# KiCad board ciaa_acc.kicad_pcb (continued)
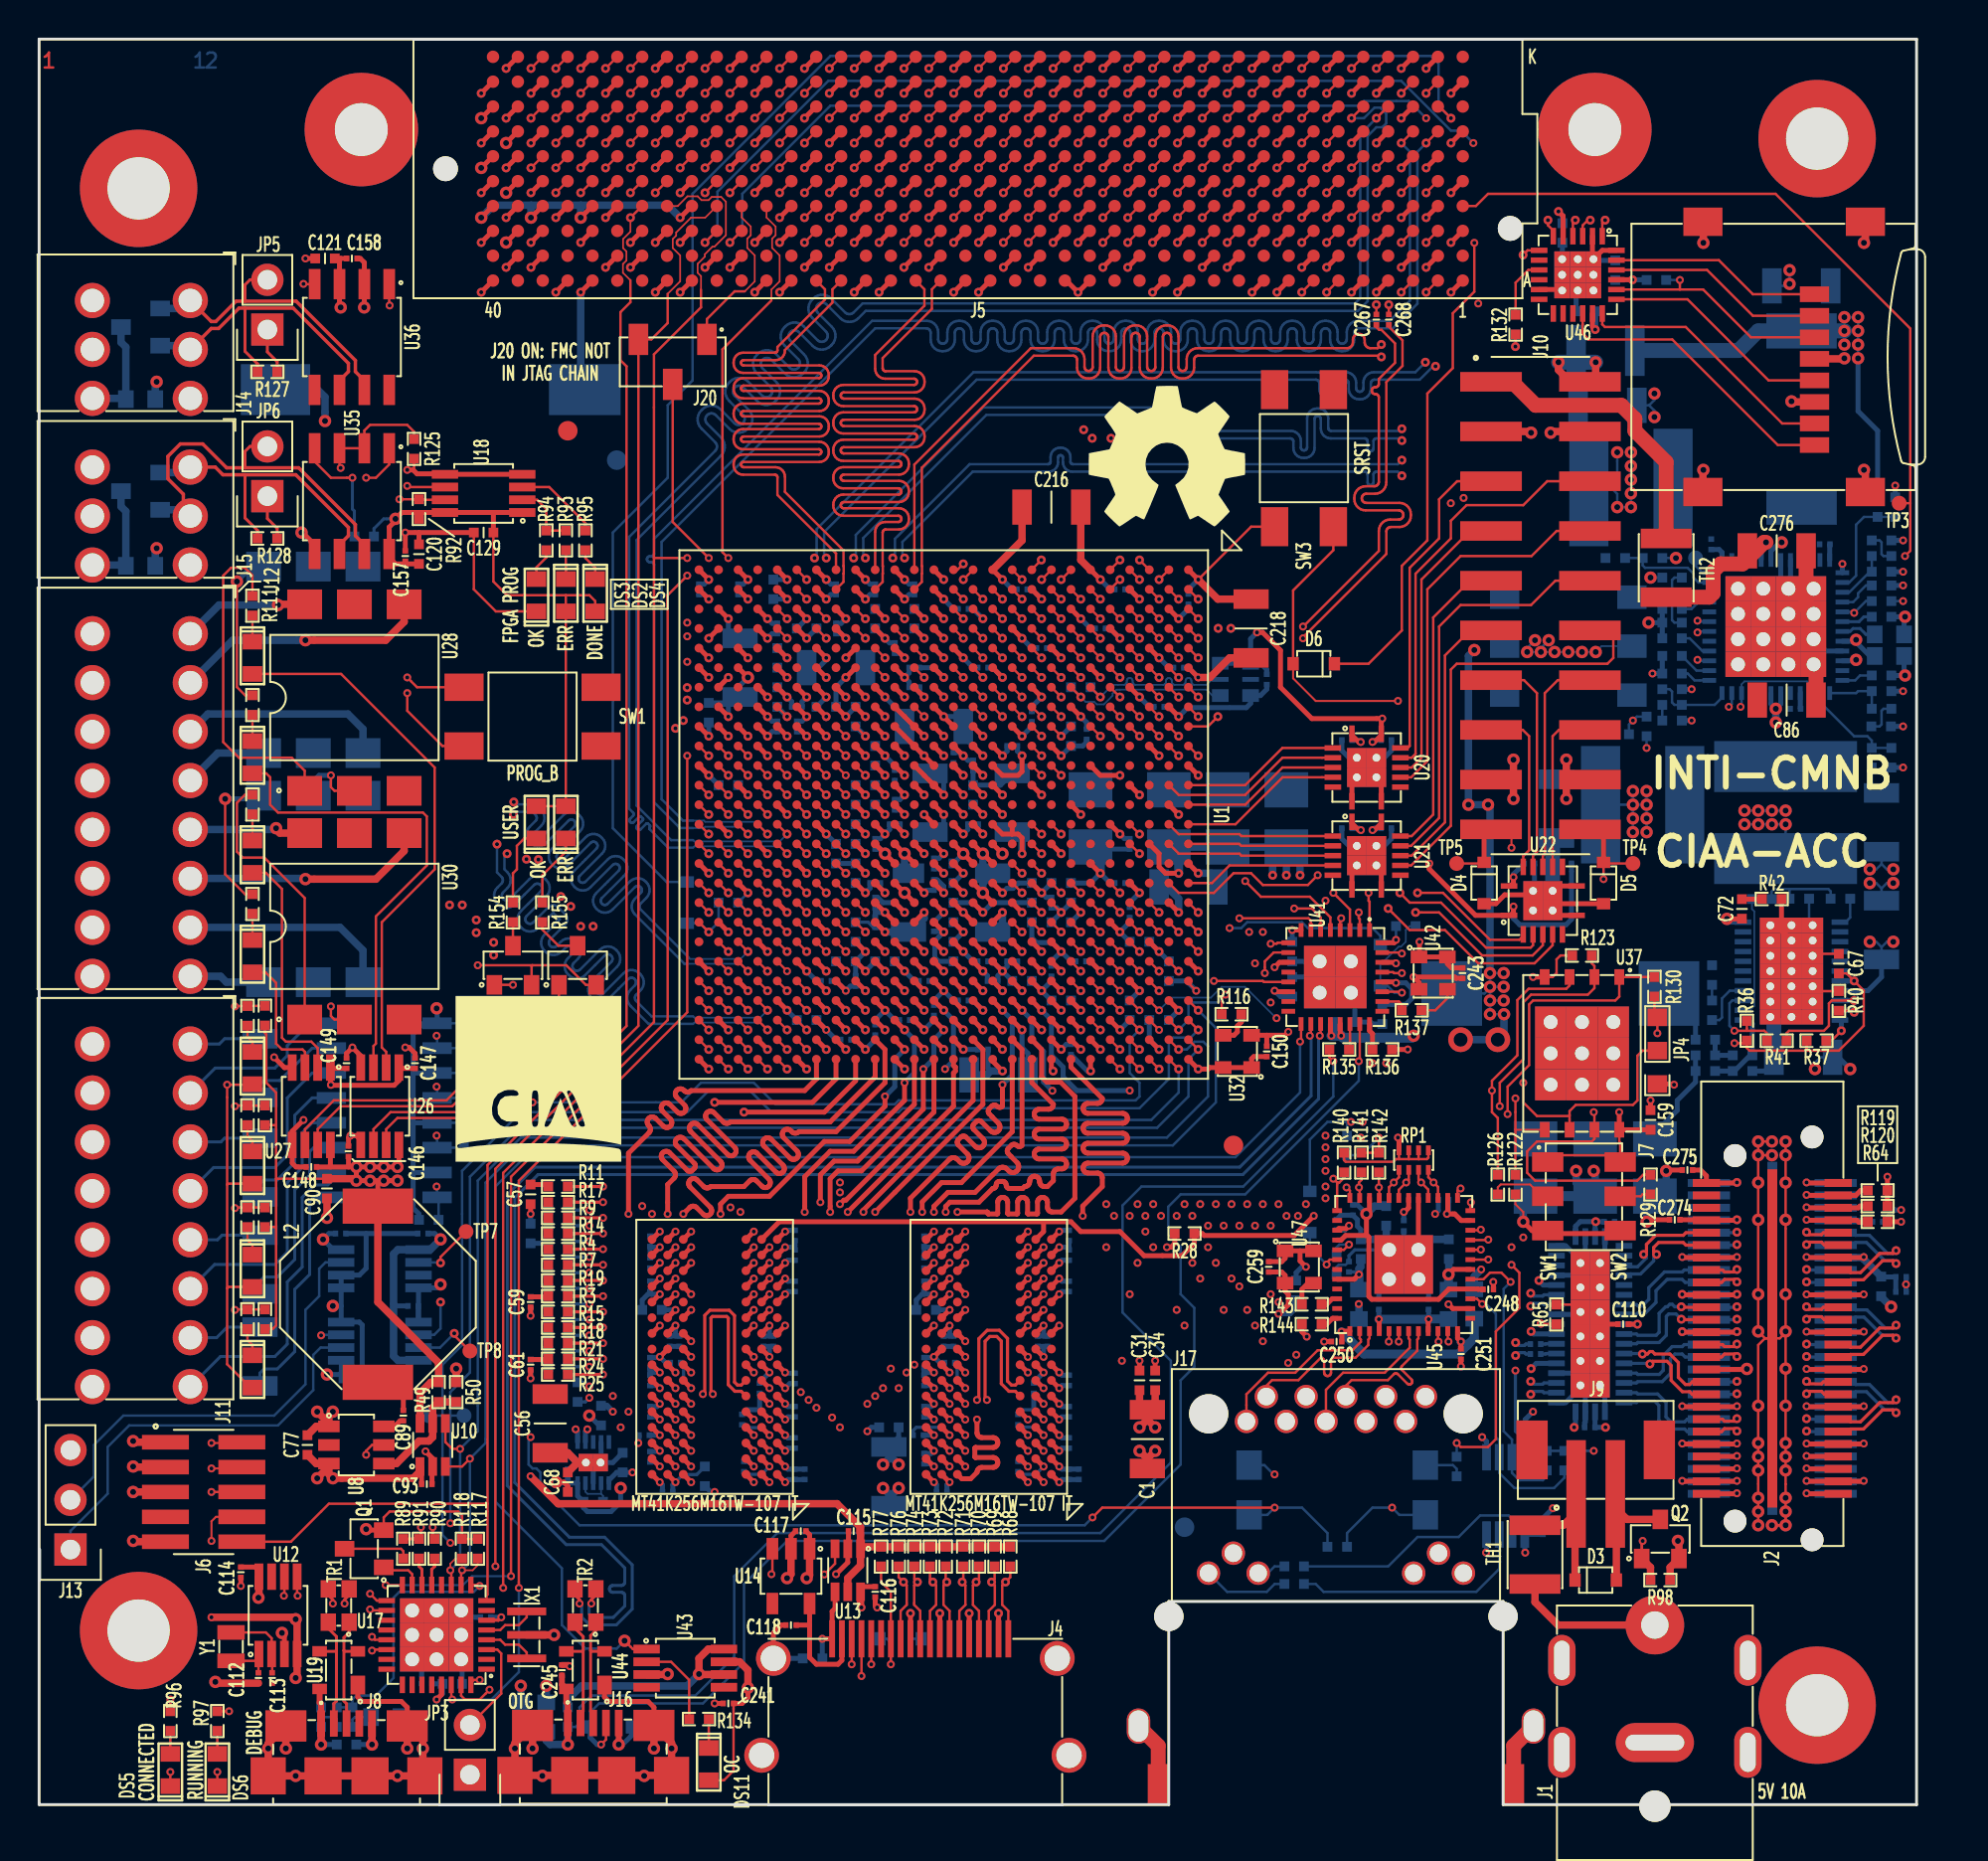
[diagram p0: board, top side]
## Routing (per net, layer and track width the routed paths; a pad name or vN(x,y) marks a point on that pad's centre or on a via; arc(x,y) is an arc through that point) (continued)
/Principal/BANK_502/DDR_DQ27: length 38.8
  TOP_L1.Sig w0.254: U3.H7 v1(33.3,22.07) ; v1(32.9,30.17) 33.22,30.49 33.27,30.53 33.32,30.55 33.37,30.57 33.43,30.57 33.49,30.55 33.54,30.53 33.58,30.49 33.92,30.16 33.96,30.12 34.01,30.1 34.07,30.08 34.13,30.08 34.18,30.1 34.23,30.12 34.28,30.16 34.31,30.2 34.34,30.25 34.35,30.31 34.35,30.36 34.34,30.42 34.31,30.47 34.28,30.52 33.25,31.55 33.21,31.59 33.19,31.64 33.17,31.7 33.17,31.76 33.19,31.81 33.21,31.86 33.25,31.91 33.29,31.94 33.34,31.97 33.4,31.98 33.45,31.98 33.51,31.97 33.56,31.94 33.6,31.91 33.94,31.57 33.99,31.53 34.04,31.51 34.09,31.5 34.15,31.5 34.2,31.51 34.26,31.53 34.3,31.57 36,31.57 36.29,31.86 36.33,31.89 36.38,31.92 36.44,31.93 36.49,31.93 36.55,31.92 36.6,31.89 36.64,31.86 36.91,31.59 36.95,31.55 37.01,31.53 37.06,31.52 37.12,31.52 37.17,31.53 37.22,31.55 37.27,31.59 37.3,31.63 37.33,31.69 37.34,31.74 37.34,31.8 37.33,31.85 37.3,31.9 37.27,31.95 36.31,32.91 36.27,32.95 36.25,33.01 36.24,33.06 36.24,33.12 36.25,33.17 36.27,33.22 36.31,33.27 36.35,33.3 36.4,33.33 36.46,33.34 36.52,33.34 36.57,33.33 36.62,33.3 36.67,33.27 37.63,32.31 37.67,32.27 37.72,32.25 37.78,32.24 37.84,32.24 37.89,32.25 37.94,32.27 37.99,32.31 38.02,32.35 38.05,32.4 38.06,32.46 38.06,32.52 38.05,32.57 38.02,32.62 37.99,32.67 37.03,33.63 36.99,33.67 36.97,33.72 36.95,33.78 36.95,33.84 36.97,33.89 36.99,33.94 37.03,33.99 37.07,34.02 37.12,34.05 37.18,34.06 37.23,34.06 37.29,34.05 37.34,34.02 37.39,33.99 38.35,33.03 38.39,32.99 38.44,32.97 38.5,32.95 38.56,32.95 38.61,32.97 38.66,32.99 38.71,33.03 38.74,33.07 38.77,33.12 38.78,33.18 38.78,33.23 38.77,33.29 38.74,33.34 38.71,33.39 38.03,34.06 37.99,34.11 37.97,34.16 37.96,34.22 37.96,34.27 37.97,34.33 37.99,34.38 38.03,34.42 38.07,34.46 38.12,34.48 38.18,34.5 38.24,34.5 38.29,34.48 38.34,34.46 38.39,34.42 38.44,34.37 38.49,34.33 38.54,34.31 38.59,34.3 38.65,34.3 38.7,34.31 38.76,34.33 38.8,34.37 40.7,34.37 43.2,36.87 43.2,38.57 U1.U25
  L10.Sig w0.165: v1(33.3,22.07) U3.H7 32.9,24.12 33,24.22 33.45,24.22 33.51,24.23 33.56,24.24 33.61,24.27 33.65,24.31 33.68,24.36 33.69,24.41 33.7,24.47 33.69,24.53 33.68,24.58 33.65,24.63 33.61,24.67 33.56,24.7 33.51,24.71 33.45,24.72 33.15,24.72 33.09,24.73 33.04,24.74 32.99,24.77 32.95,24.81 32.92,24.86 32.91,24.91 32.9,24.97 32.9,26.47 32.91,26.53 32.92,26.58 32.95,26.63 32.99,26.67 33.04,26.7 33.09,26.71 33.15,26.72 33.45,26.72 33.51,26.73 33.56,26.74 33.61,26.77 33.65,26.81 33.68,26.86 33.69,26.91 33.7,26.97 33.69,27.03 33.68,27.08 33.65,27.13 33.61,27.17 33.56,27.2 33.51,27.21 33.45,27.22 33.15,27.22 33.09,27.23 33.04,27.24 32.99,27.27 32.95,27.31 32.92,27.36 32.91,27.41 32.9,27.47 v1(32.9,30.17)
/Principal/BANK_502/DDR_DQ28: length 35.8
  TOP_L1.Sig w0.254: U3.F8 v1(32.5,20.47) ; U1.W26 40.7,37.07 39.5,35.87 v2(34.5,35.87)
  L5.Sig w0.165: v1(30.8,30.57) 30.8,33.07 31.13,33.4 31.17,33.43 31.22,33.45 31.27,33.47 31.33,33.47 31.38,33.45 31.43,33.43 31.48,33.4 31.69,33.18 31.74,33.15 31.79,33.12 31.84,33.11 31.9,33.11 31.95,33.12 32,33.15 32.05,33.18 32.08,33.22 32.11,33.27 32.12,33.33 32.12,33.38 32.11,33.44 32.08,33.49 32.05,33.53 31.26,34.32 31.23,34.36 31.2,34.41 31.19,34.47 31.19,34.52 31.2,34.58 31.23,34.63 31.26,34.67 31.31,34.71 31.36,34.73 31.41,34.74 31.47,34.74 31.52,34.73 31.57,34.71 31.62,34.67 32.4,33.89 32.44,33.85 32.5,33.83 32.55,33.82 32.61,33.82 32.66,33.83 32.71,33.85 32.75,33.89 32.79,33.93 32.81,33.98 32.83,34.04 32.83,34.09 32.81,34.15 32.79,34.2 32.75,34.24 31.97,35.02 31.94,35.07 31.91,35.12 31.9,35.17 31.9,35.23 31.91,35.28 31.94,35.33 31.97,35.38 32.01,35.41 32.06,35.44 32.12,35.45 32.18,35.45 32.23,35.44 32.28,35.41 32.32,35.38 33.11,34.59 33.15,34.56 33.2,34.54 33.26,34.52 33.31,34.52 33.37,34.54 33.42,34.56 33.46,34.59 33.5,34.64 33.52,34.69 33.53,34.74 33.53,34.8 33.52,34.85 33.5,34.9 33.46,34.95 32.68,35.73 32.64,35.78 32.62,35.83 32.61,35.88 32.61,35.94 32.62,35.99 32.64,36.04 32.68,36.09 32.72,36.12 32.77,36.14 32.83,36.16 32.88,36.16 32.94,36.14 32.99,36.12 33.03,36.09 33.25,35.87 33.29,35.84 33.34,35.81 33.4,35.8 33.45,35.8 33.51,35.81 33.56,35.84 33.6,35.87 v2(34.5,35.87)
  L10.Sig w0.165: v1(32.5,20.47) 32.1,20.07 31.3,20.07 30.8,20.57 v1(30.8,30.57)
/Principal/BANK_502/DDR_DQ29: length 34.6
  TOP_L1.Sig w0.254: U3.E3 v1(36.5,19.67) ; U1.Y25 v2(40.2,38.57)
  L3.Sig w0.165: v1(36.5,19.67) 36.1,19.27 v1(29.7,19.27)
  L10.Sig w0.165: v2(40.2,38.57) 40.2,36.87 39.4,36.07 38.4,36.07 33.55,31.22 29.85,31.22 29.7,31.07 v1(29.7,19.27)
/Principal/BANK_502/DDR_DQ30: length 37.3
  TOP_L1.Sig w0.254: U3.F2 v1(37.3,20.47) ; U1.Y26 39.7,37.07 39.1,36.47 33.3,36.47 33.26,36.43 33.2,36.41 33.15,36.4 33.09,36.4 33.04,36.41 32.99,36.43 32.94,36.47 32.92,36.49 32.88,36.52 32.83,36.55 32.77,36.56 32.72,36.56 32.66,36.55 32.61,36.52 32.57,36.49 32.53,36.44 32.51,36.39 32.49,36.33 32.49,36.28 32.51,36.22 32.53,36.17 32.57,36.13 32.96,35.74 32.99,35.69 33.02,35.64 33.03,35.58 33.03,35.53 33.02,35.47 32.99,35.42 32.96,35.38 32.91,35.34 32.86,35.32 32.81,35.3 32.75,35.3 32.69,35.32 32.64,35.34 32.6,35.38 32.21,35.77 32.16,35.8 32.11,35.83 32.06,35.84 32,35.84 31.94,35.83 31.89,35.8 31.85,35.77 31.81,35.72 31.79,35.67 31.77,35.62 31.77,35.56 31.79,35.5 31.81,35.45 31.85,35.41 32.24,35.02 32.27,34.97 32.3,34.92 32.31,34.87 32.31,34.81 32.3,34.75 32.27,34.7 32.24,34.66 32.19,34.62 32.14,34.6 32.09,34.59 32.03,34.59 31.97,34.6 31.92,34.62 31.88,34.66 31.49,35.05 31.44,35.08 31.39,35.11 31.34,35.12 31.28,35.12 31.22,35.11 31.17,35.08 31.13,35.05 31.09,35 31.07,34.95 31.06,34.9 31.06,34.84 31.07,34.79 31.09,34.73 31.13,34.69 31.14,34.67 31.18,34.63 31.2,34.58 31.22,34.52 31.22,34.47 31.2,34.41 31.18,34.36 31.14,34.31 30.1,33.27 v1(30.1,30.17)
  L3.Sig w0.165: v1(37.3,20.47) 36.91,20.08 30.11,20.08 v1(30.1,20.07)
  L10.Sig w0.165: v1(30.1,30.17) v1(30.1,20.07)
/Principal/BANK_502/DDR_DQ31: length 34.6
  TOP_L1.Sig w0.254: U3.F7 v1(33.3,20.47) ; U1.W23 v2(41.2,40.57)
  L3.Sig w0.165: v1(29.3,20.87) U3.F7 v1(33.3,20.47)
  L10.Sig w0.165: v1(29.3,20.87) 29.3,31.37 29.7,31.77 32.2,31.77 32.24,31.78 32.29,31.79 32.32,31.81 32.36,31.85 32.38,31.88 32.39,31.93 32.4,31.97 32.4,31.98 32.41,32.02 32.42,32.06 32.44,32.1 32.48,32.13 32.51,32.16 32.56,32.17 32.6,32.18 32.64,32.17 32.69,32.16 32.72,32.13 32.76,32.1 32.78,32.06 32.79,32.02 32.8,31.98 32.8,31.97 32.81,31.93 32.82,31.88 32.84,31.85 32.88,31.81 32.91,31.79 32.96,31.78 33,31.77 33.2,31.77 38,36.57 39,36.57 39.7,37.27 39.7,40.87 39.9,41.07 U1.W23 v2(41.2,40.57)
/Principal/BANK_502/DDR_DQS0_N: length 35.1
  TOP_L1.Sig w0.254: U2.B7 v1(47.3,17.27) ; U1.G25 v2(53.2,38.57)
  L10.Sig w0.147: v1(47.3,17.27) 47.54,17.51 47.73,17.51 47.94,17.3 47.94,14.9 48.23,14.61 49.37,14.61 49.76,15 49.76,16.04 49.75,16.14 49.72,16.24 49.66,16.33 49.59,16.4 49.5,16.46 49.4,16.49 49.3,16.5 49.11,16.5 49.07,16.51 49.04,16.52 49,16.54 48.98,16.57 48.96,16.6 48.95,16.63 48.94,16.67 48.94,16.71 48.95,16.75 48.96,16.78 48.98,16.82 49,16.84 49.04,16.86 49.07,16.87 49.11,16.88 49.3,16.88 49.4,16.89 49.5,16.92 49.59,16.98 49.66,17.05 49.72,17.14 49.75,17.24 49.76,17.34 49.76,17.44 49.75,17.54 49.72,17.64 49.66,17.73 49.59,17.8 49.5,17.86 49.4,17.89 49.3,17.9 49.11,17.9 49.07,17.91 49.04,17.92 49,17.94 48.98,17.97 48.96,18 48.95,18.03 48.94,18.07 48.94,18.11 48.95,18.15 48.96,18.18 48.98,18.22 49,18.24 49.04,18.26 49.07,18.27 49.11,18.28 49.3,18.28 49.4,18.29 49.5,18.32 49.59,18.38 49.66,18.45 49.72,18.54 49.75,18.64 49.76,18.74 49.76,29.7 51.36,31.3 51.36,38.16 51.8,38.59 51.8,38.76 52.01,38.97 52.8,38.97 v2(53.2,38.57)
/Principal/BANK_502/DDR_DQS0_P: length 35.1
  TOP_L1.Sig w0.254: U1.H24 v2(52.2,39.57) ; U2.C7 v1(47.3,18.07)
  L10.Sig w0.147: v2(52.2,39.57) 51.04,38.41 51.04,31.44 49.44,29.84 49.44,18.77 49.43,18.73 49.42,18.7 49.4,18.67 49.37,18.64 49.34,18.62 49.31,18.61 49.27,18.6 49.08,18.6 48.98,18.59 48.88,18.56 48.79,18.5 48.72,18.43 48.66,18.34 48.63,18.24 48.62,18.14 48.62,18.04 48.63,17.94 48.66,17.84 48.72,17.75 48.79,17.68 48.88,17.62 48.98,17.59 49.08,17.58 49.27,17.58 49.31,17.57 49.34,17.56 49.37,17.54 49.4,17.52 49.42,17.48 49.43,17.45 49.44,17.41 49.44,17.37 49.43,17.33 49.42,17.3 49.4,17.27 49.37,17.24 49.34,17.22 49.31,17.21 49.27,17.2 49.08,17.2 48.98,17.19 48.88,17.16 48.79,17.1 48.72,17.03 48.66,16.94 48.63,16.84 48.62,16.74 48.62,16.64 48.63,16.54 48.66,16.44 48.72,16.35 48.79,16.28 48.88,16.22 48.98,16.19 49.08,16.18 49.27,16.18 49.31,16.17 49.34,16.16 49.37,16.14 49.4,16.12 49.42,16.08 49.43,16.05 49.44,16.01 49.44,15.14 49.23,14.93 48.37,14.93 48.27,15.03 48.27,15.17 48.28,15.21 48.29,15.26 48.31,15.29 48.35,15.33 48.38,15.35 48.43,15.36 48.47,15.37 48.79,15.37 48.83,15.38 48.87,15.39 48.91,15.41 48.94,15.45 48.97,15.48 48.98,15.53 48.99,15.57 48.98,15.61 48.97,15.66 48.94,15.69 48.91,15.73 48.87,15.75 48.83,15.76 48.79,15.77 48.47,15.77 48.43,15.78 48.38,15.79 48.35,15.81 48.31,15.85 48.29,15.88 48.28,15.93 48.27,15.97 48.27,17.43 47.87,17.83 47.54,17.83 v1(47.3,18.07)
/Principal/BANK_502/DDR_DQS1_N: length 31.3
  TOP_L1.Sig w0.165: U2.G3 49.86,21.43 49.66,21.43 49.46,21.63 49.46,23.81 49.04,24.23 48.43,24.23 48,23.8 48,20.77 v1(47.9,20.67)
  TOP_L1.Sig w0.254: U1.L25 v2(49.2,38.57)
  L10.Sig w0.147: v2(49.2,38.57) 49.54,38.91 49.56,38.91 49.84,38.63 49.84,36.34 48.74,35.24 48.74,33.84 47.99,33.09 47.99,32.93 48,32.83 48.04,32.74 48.09,32.65 48.16,32.58 48.24,32.53 48.34,32.5 48.44,32.48 48.64,32.48 48.67,32.48 48.7,32.47 48.73,32.45 48.75,32.43 48.77,32.4 48.78,32.37 48.78,32.34 48.78,32.3 48.77,32.27 48.75,32.25 48.73,32.22 48.7,32.2 48.67,32.19 48.64,32.19 47.34,32.19 47.25,32.18 47.15,32.15 47.07,32.09 47,32.02 46.94,31.94 46.91,31.84 46.9,31.74 46.9,31.69 46.91,31.59 46.94,31.5 47,31.41 47.07,31.34 47.15,31.29 47.25,31.26 47.34,31.24 47.84,31.24 47.88,31.24 47.91,31.23 47.94,31.21 47.96,31.19 47.98,31.16 47.99,31.13 47.99,31.1 47.99,20.76 v1(47.9,20.67)
/Principal/BANK_502/DDR_DQS1_P: length 31.4
  TOP_L1.Sig w0.165: U2.F3 49.86,21.11 49.53,21.11 49.14,21.5 49.14,23.68 48.91,23.91 48.56,23.91 48.31,23.67 48.31,20.77 v1(48.41,20.67)
  TOP_L1.Sig w0.254: U1.L24 v2(49.2,39.57)
  L10.Sig w0.147: v2(49.2,39.57) 49.54,39.23 49.7,39.23 50.16,38.77 50.16,36.2 49.06,35.1 49.06,33.7 48.32,32.96 48.32,32.92 48.33,32.89 48.35,32.86 48.37,32.84 48.4,32.82 48.43,32.81 48.46,32.81 48.66,32.81 48.76,32.8 48.86,32.77 48.94,32.71 49.01,32.64 49.06,32.56 49.1,32.46 49.11,32.36 49.11,32.31 49.1,32.21 49.06,32.12 49.01,32.03 48.94,31.96 48.86,31.91 48.76,31.88 48.66,31.86 47.37,31.86 47.34,31.86 47.31,31.85 47.28,31.83 47.26,31.81 47.24,31.78 47.23,31.75 47.22,31.72 47.23,31.68 47.24,31.65 47.26,31.63 47.28,31.6 47.31,31.58 47.34,31.57 47.37,31.57 47.87,31.57 47.97,31.56 48.06,31.53 48.15,31.47 48.22,31.4 48.27,31.32 48.31,31.22 48.32,31.12 48.32,20.75 48.4,20.67 v1(48.41,20.67)
/Principal/BANK_502/DDR_DQS2_N: length 33
  TOP_L1.Sig w0.254: U3.B7 v1(33.3,17.27) ; U1.R25 v2(45.2,38.57)
  L5.Sig w0.147: v1(40.9,31.78) 40.81,31.69 39.7,31.69 39.65,31.69 39.6,31.71 39.56,31.74 39.52,31.77 39.5,31.81 39.48,31.86 39.47,31.91 39.47,32.14 39.47,32.19 39.45,32.24 39.43,32.28 39.39,32.32 39.35,32.34 39.3,32.36 39.25,32.36 39.2,32.36 39.15,32.34 39.11,32.32 39.07,32.28 39.05,32.24 39.03,32.19 39.03,32.14 39.03,31.91 39.02,31.86 39,31.81 38.98,31.77 38.94,31.74 38.9,31.71 38.85,31.69 38.8,31.69 38.75,31.69 38.7,31.71 38.66,31.74 38.62,31.77 38.6,31.81 38.58,31.86 38.58,31.91 38.58,32.14 38.57,32.19 38.55,32.24 38.53,32.28 38.49,32.32 38.45,32.34 38.4,32.36 38.35,32.36 38.3,32.36 38.25,32.34 38.21,32.32 38.17,32.28 38.15,32.24 38.13,32.19 38.12,32.14 38.12,31.91 38.12,31.86 38.1,31.81 38.08,31.77 38.04,31.74 38,31.71 37.95,31.69 37.9,31.69 36.77,31.69 35.73,30.65 35.63,30.65 35.49,30.5 v1(35.31,30.5)
  L10.Sig w0.147: v2(45.2,38.57) 45.54,38.23 45.54,37.83 45.58,37.8 45.58,37.41 45.54,37.37 45.54,36.14 41.17,31.77 40.91,31.77 v1(40.9,31.78) ; v1(33.3,17.27) 33.4,17.17 33.9,17.17 35.44,18.71 35.44,30.03 35.31,30.16 v1(35.31,30.5)
/Principal/BANK_502/DDR_DQS2_P: length 33
  TOP_L1.Sig w0.254: U3.C7 v1(33.3,18.07) ; U1.P25 v2(46.2,38.57)
  L5.Sig w0.147: v1(40.9,31.27) 40.81,31.36 36.91,31.36 35.82,30.27 v1(35.82,30.27)
  L10.Sig w0.147: v1(33.3,18.07) 32.92,17.69 32.92,17.09 33.16,16.85 34.08,16.85 35.76,18.53 35.76,30.22 v1(35.82,30.27) ; v2(46.2,38.57) 45.86,38.23 45.86,36 41.13,31.27 v1(40.9,31.27)
/Principal/BANK_502/DDR_DQS3_N: length 36.2
  TOP_L1.Sig w0.165: U3.G3 35.86,21.43 35.67,21.43 35.51,21.58 35.51,24.98 35.24,25.25 34.26,25.25 34,24.99 34,21.07 v1(33.9,20.97)
  TOP_L1.Sig w0.254: U1.W25 v2(41.2,38.57)
  L10.Sig w0.147: v2(41.2,38.57) 41.2,37 39.57,35.37 39.54,35.34 39.5,35.33 39.46,35.32 39.42,35.32 39.38,35.33 39.34,35.34 39.3,35.37 39.15,35.53 39.06,35.6 38.96,35.64 38.86,35.67 38.75,35.67 38.65,35.64 38.55,35.6 38.46,35.53 38.42,35.49 38.35,35.4 38.31,35.3 38.28,35.2 38.28,35.09 38.31,34.99 38.35,34.89 38.42,34.8 38.58,34.64 38.61,34.61 38.62,34.57 38.63,34.53 38.63,34.49 38.62,34.45 38.61,34.41 38.58,34.38 38.55,34.35 38.51,34.34 38.47,34.33 38.43,34.33 38.39,34.34 38.35,34.35 38.31,34.38 38.16,34.54 38.07,34.61 37.97,34.65 37.87,34.68 37.76,34.68 37.66,34.65 37.56,34.61 37.47,34.54 37.43,34.5 37.36,34.41 37.32,34.31 37.29,34.21 37.29,34.1 37.32,34 37.36,33.9 37.43,33.81 37.59,33.65 37.62,33.62 37.63,33.58 37.64,33.54 37.64,33.5 37.63,33.46 37.62,33.42 37.59,33.39 37.56,33.36 37.52,33.35 37.48,33.34 37.44,33.34 37.4,33.35 37.36,33.36 37.32,33.39 37.17,33.55 37.08,33.62 36.98,33.66 36.88,33.69 36.77,33.69 36.67,33.66 36.57,33.62 36.48,33.55 36.44,33.51 36.37,33.42 36.33,33.32 36.3,33.22 36.3,33.11 36.33,33.01 36.37,32.91 36.44,32.82 36.6,32.66 36.63,32.63 36.64,32.59 36.65,32.55 36.65,32.51 36.64,32.47 36.63,32.43 36.6,32.4 36.53,32.33 35.63,32.33 33.99,30.69 33.99,30.65 33.97,30.6 33.95,30.57 33.92,30.53 33.88,30.51 33.84,30.5 33.79,30.49 33.64,30.49 33.6,30.49 33.55,30.47 33.52,30.45 33.49,30.42 33.46,30.38 33.45,30.34 33.44,30.29 33.45,30.25 33.46,30.2 33.49,30.17 33.52,30.13 33.55,30.11 33.6,30.1 33.64,30.09 33.79,30.09 33.84,30.09 33.88,30.07 33.92,30.05 33.95,30.02 33.97,29.98 33.99,29.94 33.99,29.89 33.99,21.06 v1(33.9,20.97)
/Principal/BANK_502/DDR_DQS3_P: length 36.2
  TOP_L1.Sig w0.165: U3.F3 35.86,21.11 35.53,21.11 35.2,21.45 35.2,24.85 35.11,24.93 34.39,24.93 34.31,24.86 34.31,21.07 v1(34.41,20.97)
  TOP_L1.Sig w0.254: U1.W24 v2(41.2,39.57)
  L10.Sig w0.147: v1(34.41,20.97) 34.32,21.06 34.32,30.56 35.77,32.01 36.67,32.01 36.85,32.19 36.92,32.28 36.97,32.37 36.99,32.48 36.99,32.59 36.97,32.69 36.92,32.79 36.85,32.87 36.69,33.03 36.67,33.07 36.65,33.1 36.64,33.14 36.64,33.19 36.65,33.23 36.67,33.26 36.69,33.3 36.73,33.32 36.76,33.34 36.8,33.35 36.85,33.35 36.89,33.34 36.92,33.32 36.96,33.3 37.12,33.14 37.2,33.07 37.3,33.02 37.4,33 37.51,33 37.62,33.02 37.71,33.07 37.8,33.14 37.84,33.18 37.91,33.27 37.96,33.36 37.98,33.47 37.98,33.58 37.96,33.68 37.91,33.78 37.84,33.86 37.68,34.02 37.66,34.06 37.64,34.09 37.63,34.13 37.63,34.18 37.64,34.22 37.66,34.25 37.68,34.29 37.71,34.31 37.75,34.33 37.79,34.34 37.84,34.34 37.88,34.33 37.91,34.31 37.95,34.29 38.11,34.13 38.19,34.06 38.29,34.01 38.39,33.99 38.5,33.99 38.61,34.01 38.7,34.06 38.79,34.13 38.83,34.17 38.9,34.26 38.95,34.35 38.97,34.46 38.97,34.57 38.95,34.67 38.9,34.77 38.83,34.85 38.67,35.01 38.65,35.05 38.63,35.08 38.62,35.12 38.62,35.17 38.63,35.21 38.65,35.24 38.67,35.28 38.7,35.3 38.74,35.32 38.78,35.33 38.83,35.33 38.87,35.32 38.9,35.3 38.94,35.28 39.1,35.12 39.18,35.05 39.28,35 39.38,34.98 39.49,34.98 39.6,35 39.69,35.05 39.78,35.12 41.53,36.87 41.53,38.2 41.7,38.37 41.7,39.07 v2(41.2,39.57)
/Principal/BANK_502/DDR_ODT: length 81.3
  TOP_L1.Sig w0.165: R24.2 v1(28.8,22.77)
  TOP_L1.Sig w0.254: U3.K1 v1(38.1,24.47) ; U1.Y22 v2(40.2,41.57) ; U2.K1 v1(52.1,24.47)
  L5.Sig w0.165: v1(62.1,29.57) 62.1,30.87 61.5,31.47 54.1,31.47 54,31.37 45.5,31.37 44.3,32.57 44.27,32.61 44.25,32.66 44.23,32.7 44.23,32.75 44.25,32.8 44.27,32.85 44.33,32.93 44.35,32.97 44.36,33.02 44.36,33.07 44.35,33.12 44.33,33.16 44.3,33.2 44.3,33.2 44.26,33.24 44.21,33.26 44.16,33.27 44.11,33.27 44.06,33.26 44.02,33.24 43.98,33.2 43.67,32.89 43.63,32.86 43.58,32.84 43.53,32.83 43.48,32.83 43.43,32.84 43.39,32.86 43.35,32.89 43.35,32.89 43.32,32.93 43.29,32.98 43.28,33.02 43.28,33.07 43.29,33.12 43.32,33.17 43.35,33.21 43.66,33.52 43.69,33.56 43.72,33.61 43.73,33.66 43.73,33.71 43.72,33.75 43.69,33.8 43.66,33.84 43.66,33.84 43.62,33.87 43.58,33.89 43.53,33.91 43.48,33.91 43.43,33.89 43.38,33.87 43.34,33.84 43.03,33.53 42.99,33.49 42.94,33.47 42.9,33.46 42.85,33.46 42.8,33.47 42.75,33.49 42.71,33.53 42.71,33.53 42.68,33.57 42.66,33.61 42.65,33.66 42.65,33.71 42.66,33.76 42.68,33.8 42.71,33.84 43.03,34.16 43.06,34.2 43.08,34.24 43.09,34.29 43.09,34.34 43.08,34.39 43.06,34.44 43.03,34.48 43.02,34.48 42.98,34.51 42.94,34.53 42.89,34.54 42.84,34.54 42.79,34.53 42.75,34.51 42.71,34.48 42.39,34.16 42.35,34.13 42.31,34.11 42.26,34.1 42.21,34.1 42.16,34.11 42.12,34.13 42.08,34.16 42.07,34.16 42.04,34.2 42.02,34.25 42.01,34.3 42.01,34.35 42.02,34.4 42.04,34.44 42.07,34.48 42.39,34.8 42.42,34.84 42.44,34.88 42.45,34.93 42.45,34.98 42.44,35.03 42.42,35.07 42.39,35.11 42.39,35.11 42.35,35.15 42.3,35.17 42.25,35.18 42.2,35.18 42.16,35.17 42.11,35.15 42.07,35.11 41.76,34.8 41.72,34.77 41.67,34.75 41.62,34.73 41.57,34.73 41.52,34.75 41.48,34.77 41.44,34.8 41.44,34.8 41.41,34.84 41.38,34.89 41.37,34.93 41.37,34.98 41.38,35.03 41.41,35.08 41.44,35.12 41.75,35.43 41.78,35.47 41.81,35.52 41.82,35.57 41.82,35.62 41.81,35.66 41.78,35.71 41.75,35.75 41.75,35.75 41.71,35.78 41.67,35.8 41.62,35.81 41.57,35.81 41.52,35.8 41.47,35.78 41.44,35.75 41.28,35.59 41.28,35.59 41.12,35.44 41.08,35.4 41.03,35.38 40.99,35.37 40.94,35.37 40.89,35.38 40.84,35.4 40.8,35.44 40.8,35.44 40.77,35.48 40.75,35.52 40.74,35.57 40.74,35.62 40.75,35.67 40.77,35.72 40.83,35.79 40.85,35.84 40.86,35.89 40.86,35.94 40.85,35.99 40.83,36.03 40.8,36.07 40.7,36.17 40.7,41.07 v2(40.2,41.57) ; 38.1,24.07 52.5,24.07 ; 38.1,24.07 30.3,24.07 29,22.77 v1(28.8,22.77) ; 38.1,24.07 v1(38.1,24.47) ; 52.5,24.07 52.1,24.07 v1(52.1,24.47) ; 52.5,24.07 61.7,24.07 v1(62.1,24.47)
  L10.Sig w0.165: v1(62.1,24.47) v1(62.1,29.57)
/Principal/BANK_502/DDR_RAS: length 79.9
  TOP_L1.Sig w0.165: R25.2 v1(28.8,21.97)
  TOP_L1.Sig w0.254: U3.J3 v1(36.5,22.87) ; U2.J3 v1(50.5,22.87) ; U1.V23 v2(42.2,40.57)
  L5.Sig w0.165: v1(62.5,23.67) 62.1,23.27 51.1,23.27 ; v2(42.2,40.57) 41.7,40.07 41.7,36.97 42.3,36.37 42.32,36.34 42.34,36.3 42.35,36.27 42.35,36.23 42.34,36.19 42.32,36.15 42.28,36.09 42.26,36.06 42.25,36.02 42.25,35.98 42.26,35.94 42.28,35.91 42.3,35.88 42.37,35.8 42.4,35.78 42.44,35.76 42.48,35.75 42.51,35.75 42.55,35.76 42.59,35.78 42.62,35.8 42.74,35.93 42.78,35.96 42.79,35.97 42.8,35.98 42.81,35.98 42.82,35.98 42.83,35.98 42.84,35.97 42.85,35.96 43.1,35.72 43.1,35.71 43.11,35.7 43.11,35.69 43.11,35.67 43.11,35.66 43.1,35.65 43.1,35.65 42.94,35.49 42.91,35.46 42.9,35.42 42.89,35.38 42.89,35.34 42.9,35.31 42.91,35.27 42.94,35.24 43.01,35.17 43.04,35.14 43.07,35.13 43.11,35.12 43.15,35.12 43.19,35.13 43.22,35.14 43.25,35.17 43.5,35.42 43.53,35.44 43.57,35.46 43.61,35.47 43.64,35.47 43.68,35.46 43.72,35.44 43.75,35.42 43.82,35.34 43.84,35.31 43.86,35.28 43.87,35.24 43.87,35.2 43.86,35.16 43.84,35.13 43.82,35.1 43.57,34.85 43.55,34.82 43.53,34.78 43.52,34.75 43.52,34.71 43.53,34.67 43.55,34.63 43.57,34.6 43.64,34.53 43.67,34.51 43.71,34.49 43.75,34.48 43.79,34.48 43.83,34.49 43.86,34.51 43.89,34.53 44.14,34.78 44.17,34.8 44.2,34.82 44.24,34.83 44.28,34.83 44.32,34.82 44.35,34.8 44.39,34.78 44.46,34.71 44.48,34.68 44.5,34.64 44.51,34.6 44.51,34.56 44.5,34.53 44.48,34.49 44.46,34.46 44.21,34.21 44.19,34.18 44.17,34.15 44.16,34.11 44.16,34.07 44.17,34.03 44.19,34 44.21,33.97 44.28,33.9 44.31,33.87 44.35,33.85 44.38,33.85 44.42,33.85 44.46,33.85 44.5,33.87 44.53,33.9 44.77,34.14 44.81,34.17 44.84,34.18 44.88,34.19 44.92,34.19 44.96,34.18 44.99,34.17 45.02,34.14 45.09,34.07 45.12,34.04 45.13,34.01 45.14,33.97 45.14,33.93 45.13,33.89 45.12,33.85 45.09,33.82 44.85,33.58 44.82,33.55 44.8,33.51 44.8,33.47 44.8,33.43 44.8,33.4 44.82,33.36 44.85,33.33 44.92,33.26 44.95,33.23 44.98,33.22 45.02,33.21 45.06,33.21 45.1,33.22 45.13,33.23 45.16,33.26 45.41,33.51 45.44,33.53 45.48,33.55 45.51,33.56 45.55,33.56 45.59,33.55 45.63,33.53 45.66,33.51 45.73,33.43 45.75,33.4 45.77,33.37 45.78,33.33 45.78,33.29 45.77,33.25 45.75,33.22 45.73,33.19 45.48,32.94 45.46,32.91 45.44,32.88 45.43,32.84 45.43,32.8 45.44,32.76 45.46,32.72 45.48,32.69 45.55,32.62 45.58,32.6 45.62,32.58 45.66,32.57 45.7,32.57 45.73,32.58 45.77,32.6 45.8,32.62 46.05,32.87 46.08,32.89 46.11,32.91 46.15,32.92 46.19,32.92 46.23,32.91 46.26,32.89 46.29,32.87 46.37,32.8 46.39,32.77 46.41,32.73 46.42,32.69 46.42,32.66 46.41,32.62 46.39,32.58 46.34,32.52 46.32,32.49 46.32,32.45 46.32,32.41 46.32,32.37 46.34,32.33 46.37,32.3 46.6,32.07 61.5,32.07 62.5,31.07 v1(62.5,30.67) ; 36.5,23.27 30.1,23.27 v1(28.8,21.97) ; 36.5,23.27 51.1,23.27 ; 36.5,23.27 v1(36.5,22.87) ; 51.1,23.27 50.5,23.27 v1(50.5,22.87)
  L10.Sig w0.165: v1(62.5,30.67) v1(62.5,23.67)
